# Altium PCB higgs.PcbDoc (part 3 of 25)
Units mm, origin at the board's own origin, x right, y up, seen from the top; angles counter-clockwise.
Board outline 160 x 160 mm, 15 copper layers (TOP, P1(GND), S1(V), P2(GND), S2(H), P3(GND), S3(V12/V2V5), S4(VDDR), P4(GND), S5(V), P5(GND), S6(H), P6(GND), P1(GND) (Plane1), BOT), stack 3.262 mm thick; 1283 components, 2419 nets, 11066 pads, 5487 vias.
Unrouted connection lines stored in the file: 239.
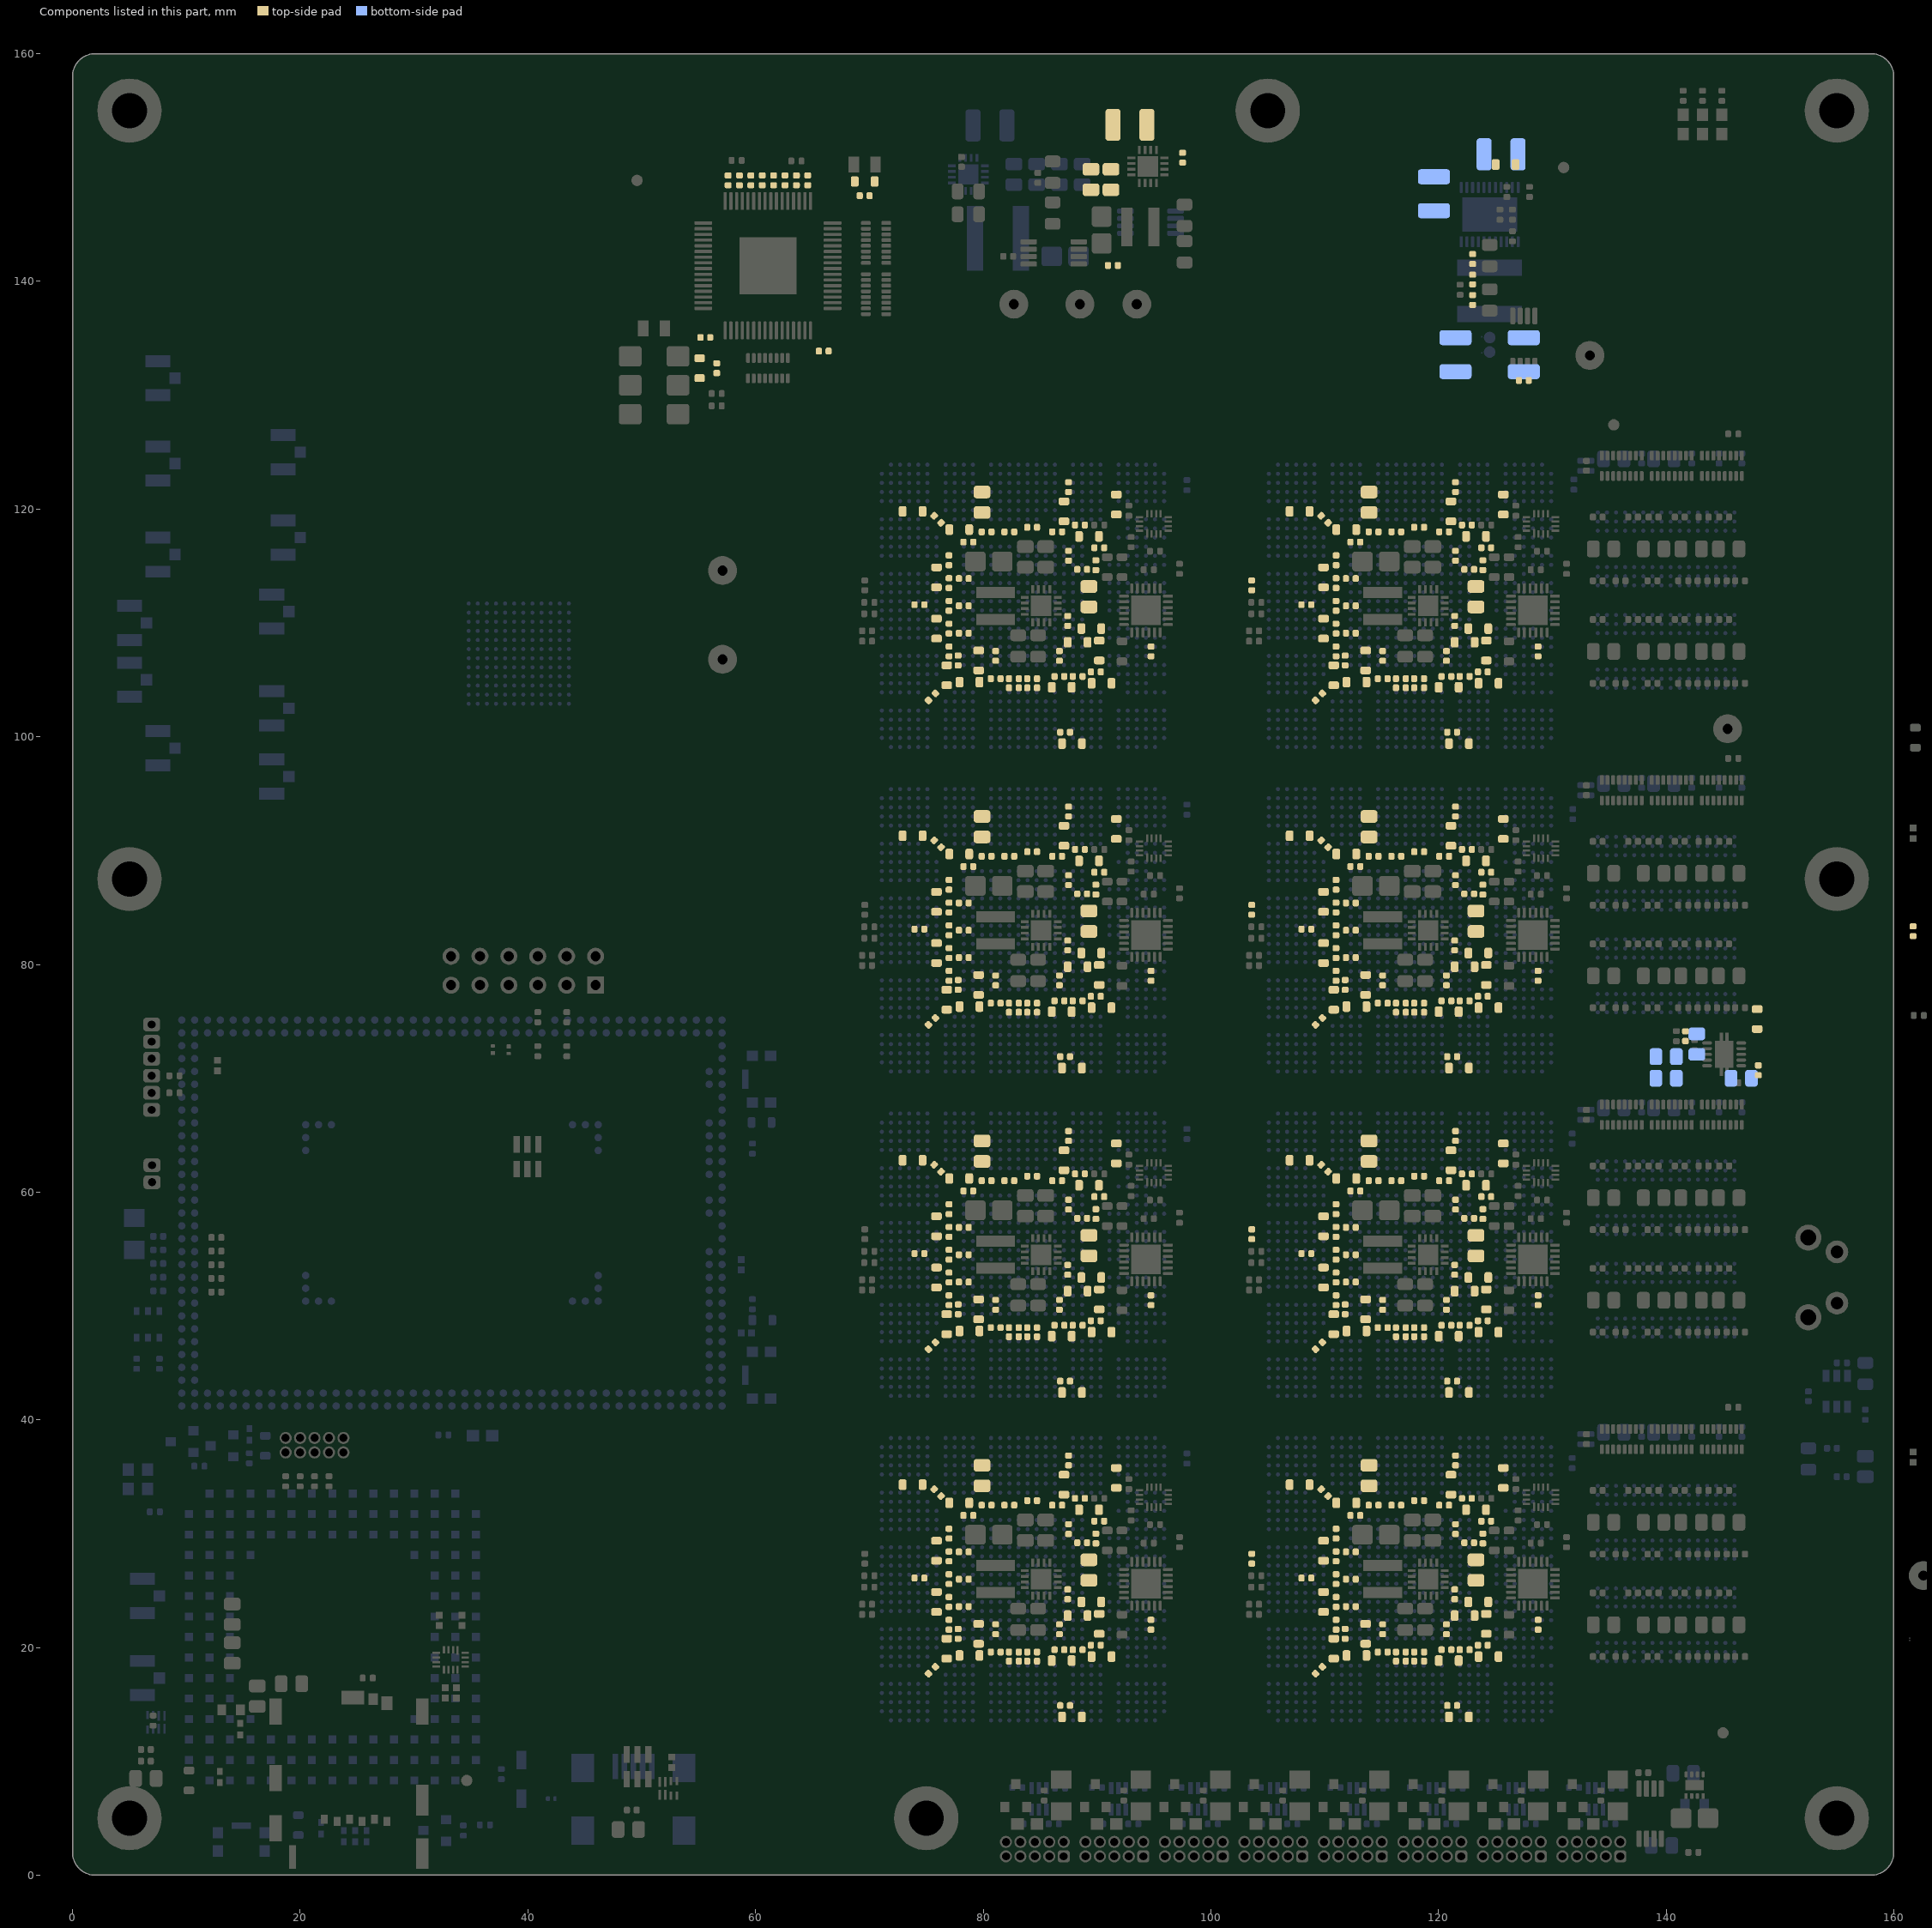
[diagram p16: the components of this part, seen from the top]

## Components (designator, comment, footprint, x,y, rotation, side; value= is the part's Value field where it differs from the comment) (continued)
C8E "GCM155R71H104KE02" CAPC100X50X55L25N 103.6,113.3 r270 top value=100nF (schematic designator C8)
C8F "GCM155R71H104KE02" CAPC100X50X55L25N 103.6,84.8 r270 top value=100nF (schematic designator C8)
C8G "GCM155R71H104KE02" CAPC100X50X55L25N 103.6,56.3 r270 top value=100nF (schematic designator C8)
C8H "GCM155R71H104KE02" CAPC100X50X55L25N 103.6,27.8 r270 top value=100nF (schematic designator C8)
C9A "GRM21BC81E106KE51" CAPC200X125X145L45N 89.3,112.3 r270 top value=10uF (schematic designator C9)
C9B "GRM21BC81E106KE51" CAPC200X125X145L45N 89.3,83.8 r270 top value=10uF (schematic designator C9)
C9C "GRM21BC81E106KE51" CAPC200X125X145L45N 89.3,55.3 r270 top value=10uF (schematic designator C9)
C9D "GRM21BC81E106KE51" CAPC200X125X145L45N 89.3,26.8 r270 top value=10uF (schematic designator C9)
C9E "GRM21BC81E106KE51" CAPC200X125X145L45N 123.3,112.3 r270 top value=10uF (schematic designator C9)
C9F "GRM21BC81E106KE51" CAPC200X125X145L45N 123.3,83.8 r270 top value=10uF (schematic designator C9)
C9G "GRM21BC81E106KE51" CAPC200X125X145L45N 123.3,55.3 r270 top value=10uF (schematic designator C9)
C9H "GRM21BC81E106KE51" CAPC200X125X145L45N 123.3,26.8 r270 top value=10uF (schematic designator C9)
C10A "GRM155R71H103KA88" CAPC100X50X55L25N 87.425,110.175 r270 top value=10nF (schematic designator C10)
C10B "GRM155R71H103KA88" CAPC100X50X55L25N 87.425,81.675 r270 top value=10nF (schematic designator C10)
C10C "GRM155R71H103KA88" CAPC100X50X55L25N 87.425,53.175 r270 top value=10nF (schematic designator C10)
C10D "GRM155R71H103KA88" CAPC100X50X55L25N 87.425,24.675 r270 top value=10nF (schematic designator C10)
C10E "GRM155R71H103KA88" CAPC100X50X55L25N 121.425,110.175 r270 top value=10nF (schematic designator C10)
C10F "GRM155R71H103KA88" CAPC100X50X55L25N 121.425,81.675 r270 top value=10nF (schematic designator C10)
C10G "GRM155R71H103KA88" CAPC100X50X55L25N 121.425,53.175 r270 top value=10nF (schematic designator C10)
C10H "GRM155R71H103KA88" CAPC100X50X55L25N 121.425,24.675 r270 top value=10nF (schematic designator C10)
C11A "C2012X7S1A226M125" CAPC200X125X145L45N 79.9,120.6 r270 top value=22uF (schematic designator C11)
C11B "C2012X7S1A226M125" CAPC200X125X145L45N 79.9,92.1 r270 top value=22uF (schematic designator C11)
C11C "C2012X7S1A226M125" CAPC200X125X145L45N 79.9,63.6 r270 top value=22uF (schematic designator C11)
C11D "C2012X7S1A226M125" CAPC200X125X145L45N 79.9,35.1 r270 top value=22uF (schematic designator C11)
C11E "C2012X7S1A226M125" CAPC200X125X145L45N 113.9,120.6 r270 top value=22uF (schematic designator C11)
C11F "C2012X7S1A226M125" CAPC200X125X145L45N 113.9,92.1 r270 top value=22uF (schematic designator C11)
C11G "C2012X7S1A226M125" CAPC200X125X145L45N 113.9,63.6 r270 top value=22uF (schematic designator C11)
C11H "C2012X7S1A226M125" CAPC200X125X145L45N 113.9,35.1 r270 top value=22uF (schematic designator C11)
C12A "C1608X7R1A225M080" CAPC160X80X90L20N 90.2,107.575 r270 top value=2.2uF (schematic designator C12)
C12B "C1608X7R1A225M080" CAPC160X80X90L20N 90.2,79.075 r270 top value=2.2uF (schematic designator C12)
C12C "C1608X7R1A225M080" CAPC160X80X90L20N 90.2,50.575 r270 top value=2.2uF (schematic designator C12)
C12D "C1608X7R1A225M080" CAPC160X80X90L20N 90.2,22.075 r270 top value=2.2uF (schematic designator C12)
C12E "C1608X7R1A225M080" CAPC160X80X90L20N 124.2,107.575 r270 top value=2.2uF (schematic designator C12)
C12F "C1608X7R1A225M080" CAPC160X80X90L20N 124.2,79.075 r270 top value=2.2uF (schematic designator C12)
C12G "C1608X7R1A225M080" CAPC160X80X90L20N 124.2,50.575 r270 top value=2.2uF (schematic designator C12)
C12H "C1608X7R1A225M080" CAPC160X80X90L20N 124.2,22.075 r270 top value=2.2uF (schematic designator C12)
C13A "GCM155R71H104KE02" CAPC100X50X55L25N 77,107.5 r90 top value=100nF (schematic designator C13)
C13B "GCM155R71H104KE02" CAPC100X50X55L25N 77,79 r90 top value=100nF (schematic designator C13)
C13C "GCM155R71H104KE02" CAPC100X50X55L25N 77,50.5 r90 top value=100nF (schematic designator C13)
C13D "GCM155R71H104KE02" CAPC100X50X55L25N 77,22 r90 top value=100nF (schematic designator C13)
C13E "GCM155R71H104KE02" CAPC100X50X55L25N 111,107.5 r90 top value=100nF (schematic designator C13)
C13F "GCM155R71H104KE02" CAPC100X50X55L25N 111,79 r90 top value=100nF (schematic designator C13)
C13G "GCM155R71H104KE02" CAPC100X50X55L25N 111,50.5 r90 top value=100nF (schematic designator C13)
C13H "GCM155R71H104KE02" CAPC100X50X55L25N 111,22 r90 top value=100nF (schematic designator C13)
C14A "GRM155R71H103KA88" CAPC100X50X55L25N 89.9,115.07 r270 top value=10nF (schematic designator C14)
C14B "GRM155R71H103KA88" CAPC100X50X55L25N 89.9,86.57 r270 top value=10nF (schematic designator C14)
C14C "GRM155R71H103KA88" CAPC100X50X55L25N 89.9,58.07 r270 top value=10nF (schematic designator C14)
C14D "GRM155R71H103KA88" CAPC100X50X55L25N 89.9,29.57 r270 top value=10nF (schematic designator C14)
C14E "GRM155R71H103KA88" CAPC100X50X55L25N 123.9,115.07 r270 top value=10nF (schematic designator C14)
C14F "GRM155R71H103KA88" CAPC100X50X55L25N 123.9,86.57 r270 top value=10nF (schematic designator C14)
C14G "GRM155R71H103KA88" CAPC100X50X55L25N 123.9,58.07 r270 top value=10nF (schematic designator C14)
C14H "GRM155R71H103KA88" CAPC100X50X55L25N 123.9,29.57 r270 top value=10nF (schematic designator C14)
C15A "C1608X7R1A225M080" CAPC160X80X90L20N 77.9,118.2 r0 top value=2.2uF (schematic designator C15)
C15B "C1608X7R1A225M080" CAPC160X80X90L20N 77.9,89.7 r0 top value=2.2uF (schematic designator C15)
C15C "C1608X7R1A225M080" CAPC160X80X90L20N 77.9,61.2 r0 top value=2.2uF (schematic designator C15)
C15D "C1608X7R1A225M080" CAPC160X80X90L20N 77.9,32.7 r0 top value=2.2uF (schematic designator C15)
C15E "C1608X7R1A225M080" CAPC160X80X90L20N 111.9,118.2 r0 top value=2.2uF (schematic designator C15)
C15F "C1608X7R1A225M080" CAPC160X80X90L20N 111.9,89.7 r0 top value=2.2uF (schematic designator C15)
C15G "C1608X7R1A225M080" CAPC160X80X90L20N 111.9,61.2 r0 top value=2.2uF (schematic designator C15)
C15H "C1608X7R1A225M080" CAPC160X80X90L20N 111.9,32.7 r0 top value=2.2uF (schematic designator C15)
C16A "GCM155R71H104KE02" CAPC100X50X55L25N 82.3,118 r180 top value=100nF (schematic designator C16)
C16B "GCM155R71H104KE02" CAPC100X50X55L25N 82.3,89.5 r180 top value=100nF (schematic designator C16)
C16C "GCM155R71H104KE02" CAPC100X50X55L25N 82.3,61 r180 top value=100nF (schematic designator C16)
C16D "GCM155R71H104KE02" CAPC100X50X55L25N 82.3,32.5 r180 top value=100nF (schematic designator C16)
C16E "GCM155R71H104KE02" CAPC100X50X55L25N 116.3,118 r180 top value=100nF (schematic designator C16)
C16F "GCM155R71H104KE02" CAPC100X50X55L25N 116.3,89.5 r180 top value=100nF (schematic designator C16)
C16G "GCM155R71H104KE02" CAPC100X50X55L25N 116.3,61 r180 top value=100nF (schematic designator C16)
C16H "GCM155R71H104KE02" CAPC100X50X55L25N 116.3,32.5 r180 top value=100nF (schematic designator C16)
C17A "GCM155R71H104KE02" CAPC100X50X55L25N 78.7,117.1 r0 top value=100nF (schematic designator C17)
C17B "GCM155R71H104KE02" CAPC100X50X55L25N 78.7,88.6 r0 top value=100nF (schematic designator C17)
C17C "GCM155R71H104KE02" CAPC100X50X55L25N 78.7,60.1 r0 top value=100nF (schematic designator C17)
C17D "GCM155R71H104KE02" CAPC100X50X55L25N 78.7,31.6 r0 top value=100nF (schematic designator C17)
C17E "GCM155R71H104KE02" CAPC100X50X55L25N 112.7,117.1 r0 top value=100nF (schematic designator C17)
C17F "GCM155R71H104KE02" CAPC100X50X55L25N 112.7,88.6 r0 top value=100nF (schematic designator C17)
C17G "GCM155R71H104KE02" CAPC100X50X55L25N 112.7,60.1 r0 top value=100nF (schematic designator C17)
C17H "GCM155R71H104KE02" CAPC100X50X55L25N 112.7,31.6 r0 top value=100nF (schematic designator C17)
C18A "GCM155R71H104KE02" CAPC100X50X55L25N 80.3,118 r180 top value=100nF (schematic designator C18)
C18B "GCM155R71H104KE02" CAPC100X50X55L25N 80.3,89.5 r180 top value=100nF (schematic designator C18)
C18C "GCM155R71H104KE02" CAPC100X50X55L25N 80.3,61 r180 top value=100nF (schematic designator C18)
C18D "GCM155R71H104KE02" CAPC100X50X55L25N 80.3,32.5 r180 top value=100nF (schematic designator C18)
C18E "GCM155R71H104KE02" CAPC100X50X55L25N 114.3,118 r180 top value=100nF (schematic designator C18)
C18F "GCM155R71H104KE02" CAPC100X50X55L25N 114.3,89.5 r180 top value=100nF (schematic designator C18)
C18G "GCM155R71H104KE02" CAPC100X50X55L25N 114.3,61 r180 top value=100nF (schematic designator C18)
C18H "GCM155R71H104KE02" CAPC100X50X55L25N 114.3,32.5 r180 top value=100nF (schematic designator C18)
C19A "C1608X7R1A225M080" CAPC160X80X90L20N 73.8,119.8 r0 top value=2.2uF (schematic designator C19)
C19B "C1608X7R1A225M080" CAPC160X80X90L20N 73.8,91.3 r0 top value=2.2uF (schematic designator C19)
C19C "C1608X7R1A225M080" CAPC160X80X90L20N 73.8,62.8 r0 top value=2.2uF (schematic designator C19)
C19D "C1608X7R1A225M080" CAPC160X80X90L20N 73.8,34.3 r0 top value=2.2uF (schematic designator C19)
C19E "C1608X7R1A225M080" CAPC160X80X90L20N 107.8,119.8 r0 top value=2.2uF (schematic designator C19)
C19F "C1608X7R1A225M080" CAPC160X80X90L20N 107.8,91.3 r0 top value=2.2uF (schematic designator C19)
C19G "C1608X7R1A225M080" CAPC160X80X90L20N 107.8,62.8 r0 top value=2.2uF (schematic designator C19)
C19H "C1608X7R1A225M080" CAPC160X80X90L20N 107.8,34.3 r0 top value=2.2uF (schematic designator C19)
C20A "GCM155R71H104KE02" CAPC100X50X55L25N 76,119.1 r135 top value=100nF (schematic designator C20)
C20B "GCM155R71H104KE02" CAPC100X50X55L25N 76,90.6 r135 top value=100nF (schematic designator C20)
C20C "GCM155R71H104KE02" CAPC100X50X55L25N 76,62.1 r135 top value=100nF (schematic designator C20)
C20D "GCM155R71H104KE02" CAPC100X50X55L25N 76,33.6 r135 top value=100nF (schematic designator C20)
C20E "GCM155R71H104KE02" CAPC100X50X55L25N 110,119.1 r135 top value=100nF (schematic designator C20)
C20F "GCM155R71H104KE02" CAPC100X50X55L25N 110,90.6 r135 top value=100nF (schematic designator C20)
C20G "GCM155R71H104KE02" CAPC100X50X55L25N 110,62.1 r135 top value=100nF (schematic designator C20)
C20H "GCM155R71H104KE02" CAPC100X50X55L25N 110,33.6 r135 top value=100nF (schematic designator C20)
C21A "GCM155R71H104KE02" CAPC100X50X55L25N 94.75,107.5 r90 top value=100nF (schematic designator C21)
C21B "GCM155R71H104KE02" CAPC100X50X55L25N 94.75,79 r90 top value=100nF (schematic designator C21)
C21C "GCM155R71H104KE02" CAPC100X50X55L25N 94.75,50.5 r90 top value=100nF (schematic designator C21)
C21D "GCM155R71H104KE02" CAPC100X50X55L25N 94.75,22 r90 top value=100nF (schematic designator C21)
C21E "GCM155R71H104KE02" CAPC100X50X55L25N 128.75,107.5 r90 top value=100nF (schematic designator C21)
C21F "GCM155R71H104KE02" CAPC100X50X55L25N 128.75,79 r90 top value=100nF (schematic designator C21)
C21G "GCM155R71H104KE02" CAPC100X50X55L25N 128.75,50.5 r90 top value=100nF (schematic designator C21)
C21H "GCM155R71H104KE02" CAPC100X50X55L25N 128.75,22 r90 top value=100nF (schematic designator C21)
C22A "C1608X7R1A225M080" CAPC160X80X90L20N 86.9,104.35 r180 top value=2.2uF (schematic designator C22)
C22B "C1608X7R1A225M080" CAPC160X80X90L20N 86.9,75.85 r180 top value=2.2uF (schematic designator C22)
C22C "C1608X7R1A225M080" CAPC160X80X90L20N 86.9,47.35 r180 top value=2.2uF (schematic designator C22)
C22D "C1608X7R1A225M080" CAPC160X80X90L20N 86.9,18.85 r180 top value=2.2uF (schematic designator C22)
C22E "C1608X7R1A225M080" CAPC160X80X90L20N 120.9,104.35 r180 top value=2.2uF (schematic designator C22)
C22F "C1608X7R1A225M080" CAPC160X80X90L20N 120.9,75.85 r180 top value=2.2uF (schematic designator C22)
C22G "C1608X7R1A225M080" CAPC160X80X90L20N 120.9,47.35 r180 top value=2.2uF (schematic designator C22)
C22H "C1608X7R1A225M080" CAPC160X80X90L20N 120.9,18.85 r180 top value=2.2uF (schematic designator C22)
C23A "GCM155R71H104KE02" CAPC100X50X55L25N 84.3,104.3 r0 top value=100nF (schematic designator C23)
C23B "GCM155R71H104KE02" CAPC100X50X55L25N 84.3,75.8 r0 top value=100nF (schematic designator C23)
C23C "GCM155R71H104KE02" CAPC100X50X55L25N 84.3,47.3 r0 top value=100nF (schematic designator C23)
C23D "GCM155R71H104KE02" CAPC100X50X55L25N 84.3,18.8 r0 top value=100nF (schematic designator C23)
C23E "GCM155R71H104KE02" CAPC100X50X55L25N 118.3,104.3 r0 top value=100nF (schematic designator C23)
C23F "GCM155R71H104KE02" CAPC100X50X55L25N 118.3,75.8 r0 top value=100nF (schematic designator C23)
C23G "GCM155R71H104KE02" CAPC100X50X55L25N 118.3,47.3 r0 top value=100nF (schematic designator C23)
C23H "GCM155R71H104KE02" CAPC100X50X55L25N 118.3,18.8 r0 top value=100nF (schematic designator C23)
C24A "GCM155R71H104KE02" CAPC100X50X55L25N 86.7,105.3 r180 top value=100nF (schematic designator C24)
C24B "GCM155R71H104KE02" CAPC100X50X55L25N 86.7,76.8 r180 top value=100nF (schematic designator C24)
C24C "GCM155R71H104KE02" CAPC100X50X55L25N 86.7,48.3 r180 top value=100nF (schematic designator C24)
C24D "GCM155R71H104KE02" CAPC100X50X55L25N 86.7,19.8 r180 top value=100nF (schematic designator C24)
C24E "GCM155R71H104KE02" CAPC100X50X55L25N 120.7,105.3 r180 top value=100nF (schematic designator C24)
C24F "GCM155R71H104KE02" CAPC100X50X55L25N 120.7,76.8 r180 top value=100nF (schematic designator C24)
C24G "GCM155R71H104KE02" CAPC100X50X55L25N 120.7,48.3 r180 top value=100nF (schematic designator C24)
C24H "GCM155R71H104KE02" CAPC100X50X55L25N 120.7,19.8 r180 top value=100nF (schematic designator C24)
C25A "GCM155R71H104KE02" CAPC100X50X55L25N 84.3,105.1 r0 top value=100nF (schematic designator C25)
C25B "GCM155R71H104KE02" CAPC100X50X55L25N 84.3,76.6 r0 top value=100nF (schematic designator C25)
C25C "GCM155R71H104KE02" CAPC100X50X55L25N 84.3,48.1 r0 top value=100nF (schematic designator C25)
C25D "GCM155R71H104KE02" CAPC100X50X55L25N 84.3,19.6 r0 top value=100nF (schematic designator C25)
C25E "GCM155R71H104KE02" CAPC100X50X55L25N 118.3,105.1 r0 top value=100nF (schematic designator C25)
C25F "GCM155R71H104KE02" CAPC100X50X55L25N 118.3,76.6 r0 top value=100nF (schematic designator C25)
C25G "GCM155R71H104KE02" CAPC100X50X55L25N 118.3,48.1 r0 top value=100nF (schematic designator C25)
C25H "GCM155R71H104KE02" CAPC100X50X55L25N 118.3,19.6 r0 top value=100nF (schematic designator C25)
C26A "C1608X7R1A225M080" CAPC160X80X90L20N 87.8,99.4 r180 top value=2.2uF (schematic designator C26)
C26B "C1608X7R1A225M080" CAPC160X80X90L20N 87.8,70.9 r180 top value=2.2uF (schematic designator C26)
C26C "C1608X7R1A225M080" CAPC160X80X90L20N 87.8,42.4 r180 top value=2.2uF (schematic designator C26)
C26D "C1608X7R1A225M080" CAPC160X80X90L20N 87.8,13.9 r180 top value=2.2uF (schematic designator C26)
C26E "C1608X7R1A225M080" CAPC160X80X90L20N 121.8,99.4 r180 top value=2.2uF (schematic designator C26)
C26F "C1608X7R1A225M080" CAPC160X80X90L20N 121.8,70.9 r180 top value=2.2uF (schematic designator C26)
C26G "C1608X7R1A225M080" CAPC160X80X90L20N 121.8,42.4 r180 top value=2.2uF (schematic designator C26)
C26H "C1608X7R1A225M080" CAPC160X80X90L20N 121.8,13.9 r180 top value=2.2uF (schematic designator C26)
C27A "GCM155R71H104KE02" CAPC100X50X55L25N 87.2,100.4 r180 top value=100nF (schematic designator C27)
C27B "GCM155R71H104KE02" CAPC100X50X55L25N 87.2,71.9 r180 top value=100nF (schematic designator C27)
C27C "GCM155R71H104KE02" CAPC100X50X55L25N 87.2,43.4 r180 top value=100nF (schematic designator C27)
C27D "GCM155R71H104KE02" CAPC100X50X55L25N 87.2,14.9 r180 top value=100nF (schematic designator C27)
C27E "GCM155R71H104KE02" CAPC100X50X55L25N 121.2,100.4 r180 top value=100nF (schematic designator C27)
C27F "GCM155R71H104KE02" CAPC100X50X55L25N 121.2,71.9 r180 top value=100nF (schematic designator C27)
C27G "GCM155R71H104KE02" CAPC100X50X55L25N 121.2,43.4 r180 top value=100nF (schematic designator C27)
C27H "GCM155R71H104KE02" CAPC100X50X55L25N 121.2,14.9 r180 top value=100nF (schematic designator C27)
C28A "C1608X7R1A225M080" CAPC160X80X90L20N 90.4,104.7 r180 top value=2.2uF (schematic designator C28)
C28B "C1608X7R1A225M080" CAPC160X80X90L20N 90.4,76.2 r180 top value=2.2uF (schematic designator C28)
C28C "C1608X7R1A225M080" CAPC160X80X90L20N 90.4,47.7 r180 top value=2.2uF (schematic designator C28)
C28D "C1608X7R1A225M080" CAPC160X80X90L20N 90.4,19.2 r180 top value=2.2uF (schematic designator C28)
C28E "C1608X7R1A225M080" CAPC160X80X90L20N 124.4,104.7 r180 top value=2.2uF (schematic designator C28)
C28F "C1608X7R1A225M080" CAPC160X80X90L20N 124.4,76.2 r180 top value=2.2uF (schematic designator C28)
C28G "C1608X7R1A225M080" CAPC160X80X90L20N 124.4,47.7 r180 top value=2.2uF (schematic designator C28)
C28H "C1608X7R1A225M080" CAPC160X80X90L20N 124.4,19.2 r180 top value=2.2uF (schematic designator C28)
C29A "GCM155R71H104KE02" CAPC100X50X55L25N 89.9,105.7 r180 top value=100nF (schematic designator C29)
C29B "GCM155R71H104KE02" CAPC100X50X55L25N 89.9,77.2 r180 top value=100nF (schematic designator C29)
C29C "GCM155R71H104KE02" CAPC100X50X55L25N 89.9,48.7 r180 top value=100nF (schematic designator C29)
C29D "GCM155R71H104KE02" CAPC100X50X55L25N 89.9,20.2 r180 top value=100nF (schematic designator C29)
C29E "GCM155R71H104KE02" CAPC100X50X55L25N 123.9,105.7 r180 top value=100nF (schematic designator C29)
C29F "GCM155R71H104KE02" CAPC100X50X55L25N 123.9,77.2 r180 top value=100nF (schematic designator C29)
C29G "GCM155R71H104KE02" CAPC100X50X55L25N 123.9,48.7 r180 top value=100nF (schematic designator C29)
C29H "GCM155R71H104KE02" CAPC100X50X55L25N 123.9,20.2 r180 top value=100nF (schematic designator C29)
C30A "GCM155R71H104KE02" CAPC100X50X55L25N 88.3,105.3 r0 top value=100nF (schematic designator C30)
C30B "GCM155R71H104KE02" CAPC100X50X55L25N 88.3,76.8 r0 top value=100nF (schematic designator C30)
C30C "GCM155R71H104KE02" CAPC100X50X55L25N 88.3,48.3 r0 top value=100nF (schematic designator C30)
C30D "GCM155R71H104KE02" CAPC100X50X55L25N 88.3,19.8 r0 top value=100nF (schematic designator C30)
C30E "GCM155R71H104KE02" CAPC100X50X55L25N 122.3,105.3 r0 top value=100nF (schematic designator C30)
C30F "GCM155R71H104KE02" CAPC100X50X55L25N 122.3,76.8 r0 top value=100nF (schematic designator C30)
C30G "GCM155R71H104KE02" CAPC100X50X55L25N 122.3,48.3 r0 top value=100nF (schematic designator C30)
C30H "GCM155R71H104KE02" CAPC100X50X55L25N 122.3,19.8 r0 top value=100nF (schematic designator C30)
C31A "C1608X7R1A225M080" CAPC160X80X90L20N 91.7,120.4 r270 top value=2.2uF (schematic designator C31)
C31B "C1608X7R1A225M080" CAPC160X80X90L20N 91.7,91.9 r270 top value=2.2uF (schematic designator C31)
C31C "C1608X7R1A225M080" CAPC160X80X90L20N 91.7,63.4 r270 top value=2.2uF (schematic designator C31)
C31D "C1608X7R1A225M080" CAPC160X80X90L20N 91.7,34.9 r270 top value=2.2uF (schematic designator C31)
C31E "C1608X7R1A225M080" CAPC160X80X90L20N 125.7,120.4 r270 top value=2.2uF (schematic designator C31)
C31F "C1608X7R1A225M080" CAPC160X80X90L20N 125.7,91.9 r270 top value=2.2uF (schematic designator C31)
C31G "C1608X7R1A225M080" CAPC160X80X90L20N 125.7,63.4 r270 top value=2.2uF (schematic designator C31)
C31H "C1608X7R1A225M080" CAPC160X80X90L20N 125.7,34.9 r270 top value=2.2uF (schematic designator C31)
C32A "GCM155R71H104KE02" CAPC100X50X55L25N 90.2,116.6 r180 top value=100nF (schematic designator C32)
C32B "GCM155R71H104KE02" CAPC100X50X55L25N 90.2,88.1 r180 top value=100nF (schematic designator C32)
C32C "GCM155R71H104KE02" CAPC100X50X55L25N 90.2,59.6 r180 top value=100nF (schematic designator C32)
C32D "GCM155R71H104KE02" CAPC100X50X55L25N 90.2,31.1 r180 top value=100nF (schematic designator C32)
C32E "GCM155R71H104KE02" CAPC100X50X55L25N 124.2,116.6 r180 top value=100nF (schematic designator C32)
C32F "GCM155R71H104KE02" CAPC100X50X55L25N 124.2,88.1 r180 top value=100nF (schematic designator C32)
C32G "GCM155R71H104KE02" CAPC100X50X55L25N 124.2,59.6 r180 top value=100nF (schematic designator C32)